# Altium PCB Drive_Foc.PcbDoc (part 3 of 3)
Units mil, origin at the board's own origin, x right, y up, seen from the top; angles counter-clockwise.
Board outline 3109 x 2220 mil, 4 copper layers (Top Layer, GND, PWR, Bottom Layer), stack 23.756 mil thick; 209 components, 159 nets, 774 pads, 692 vias.
Unrouted connection lines stored in the file: 55.
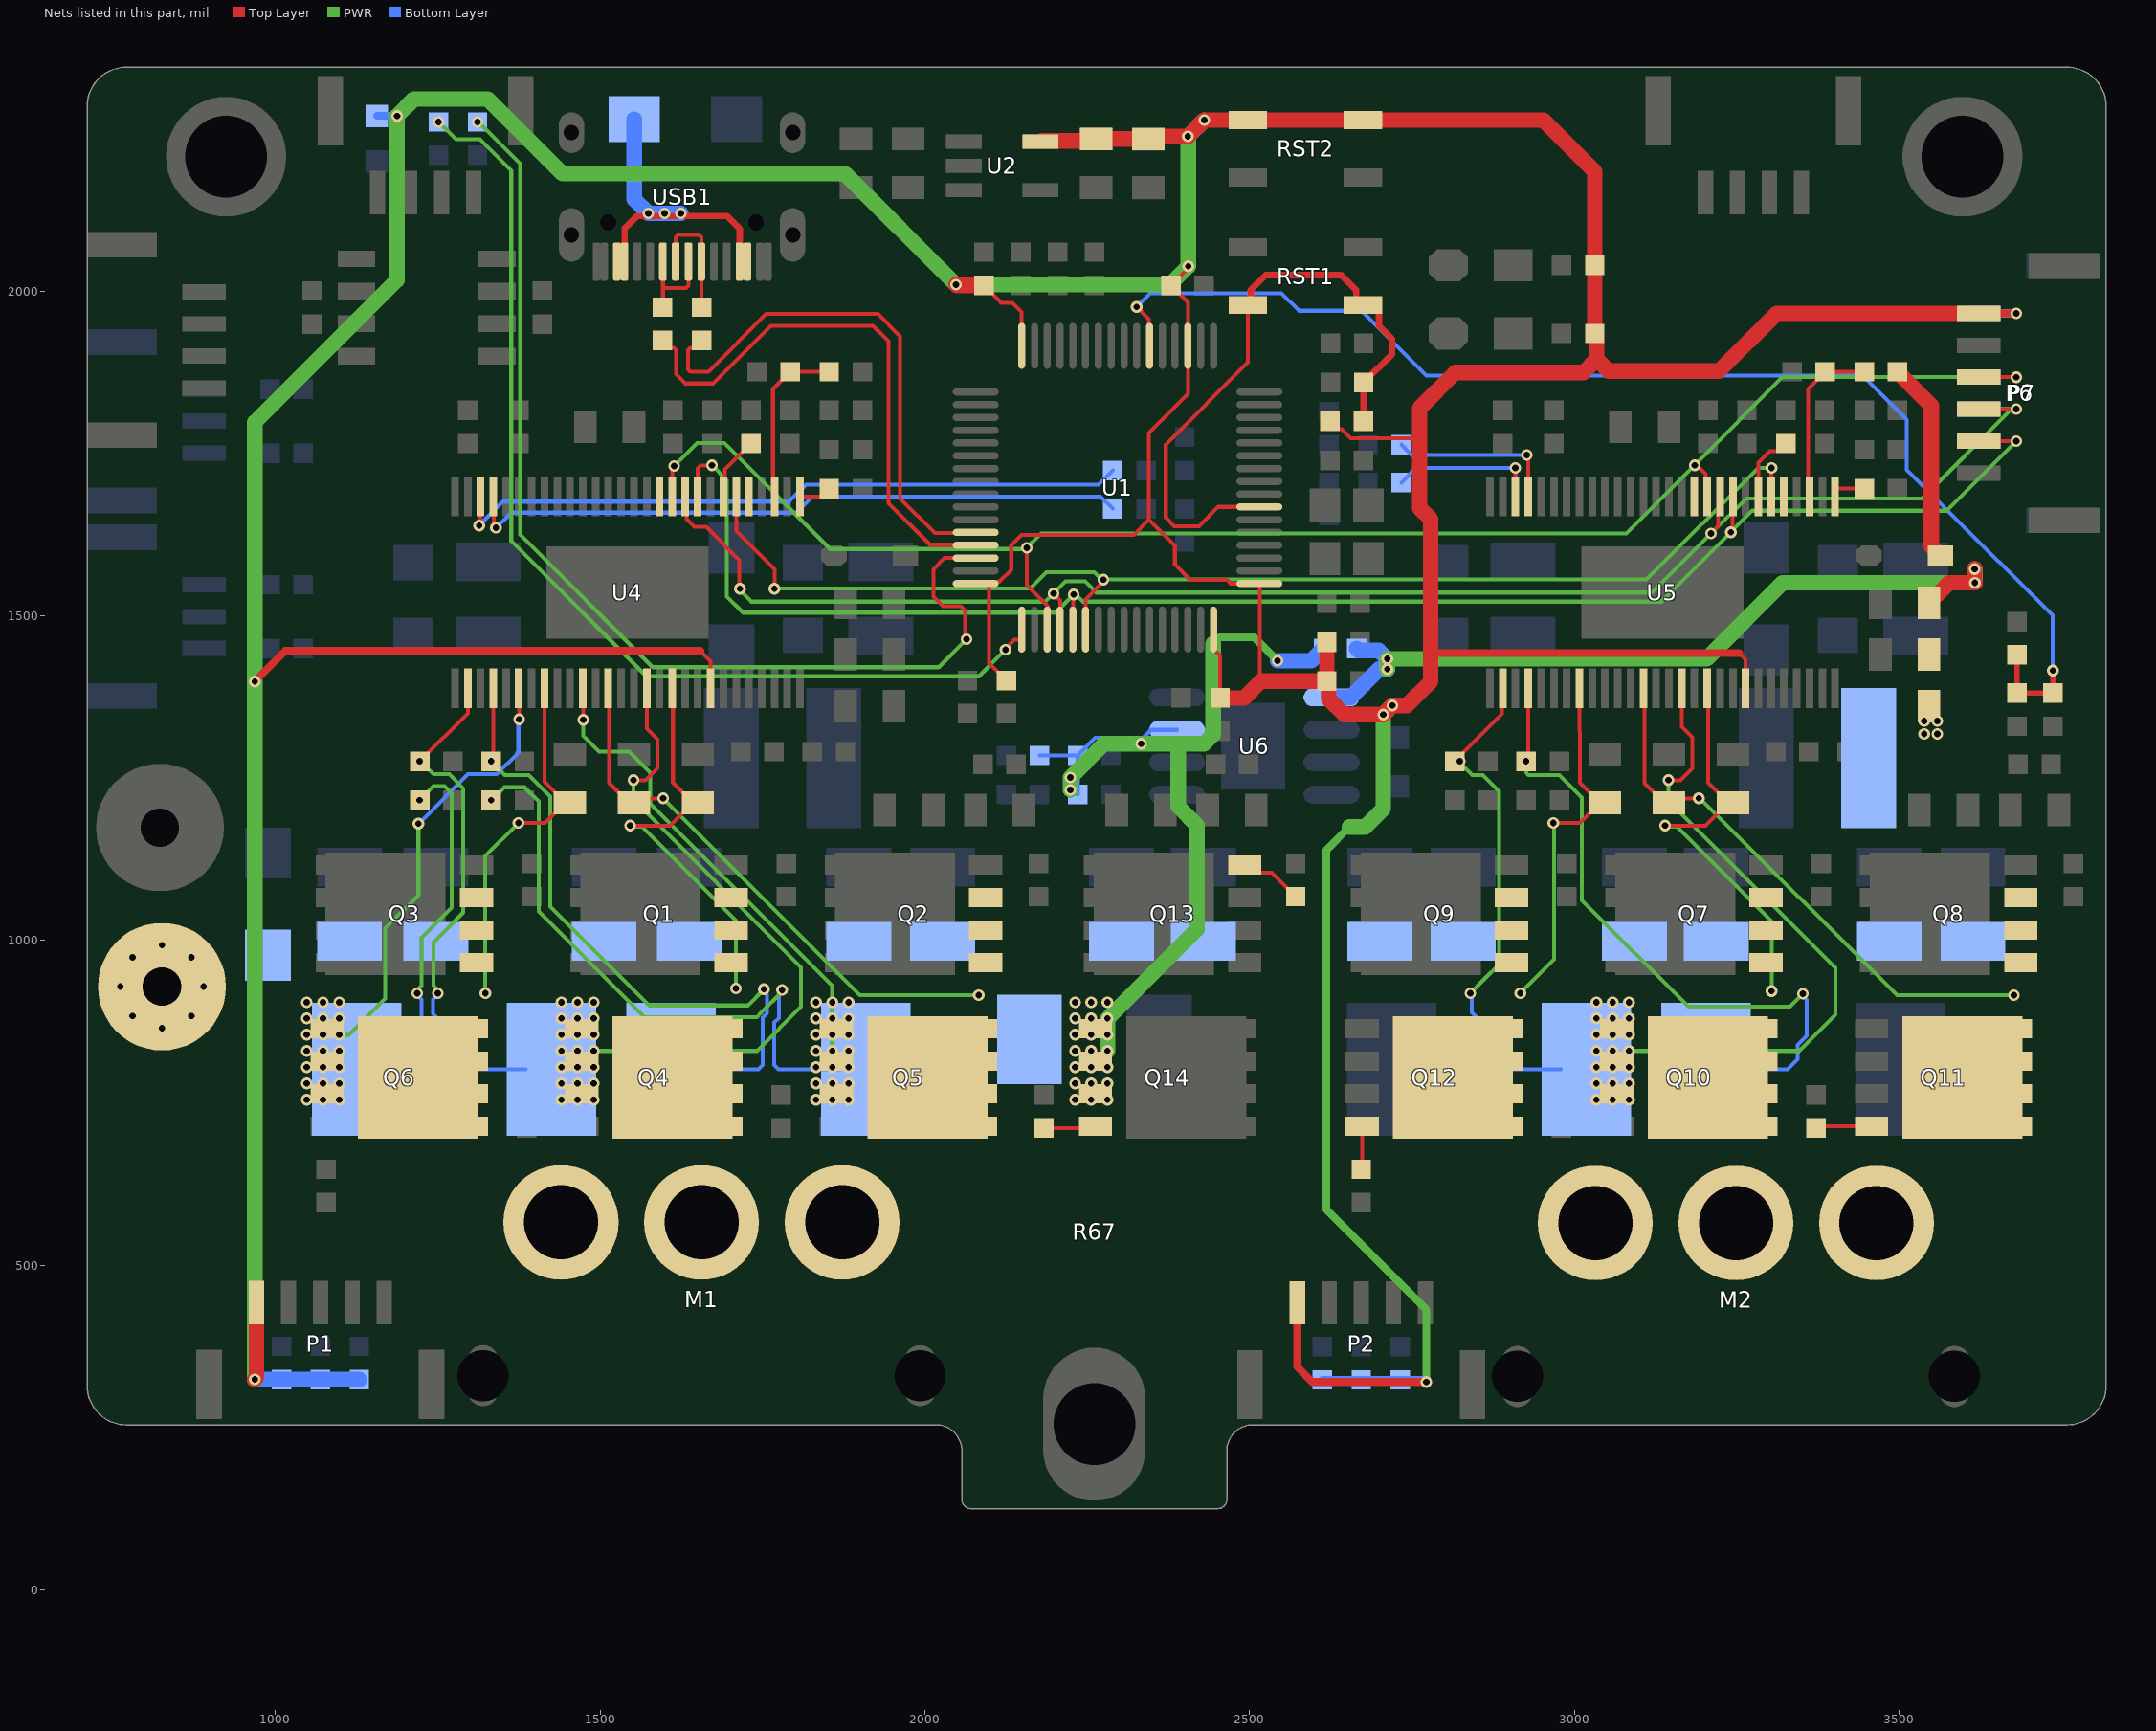
[diagram p5: the nets of this part, all layers, seen from the top]

## Via types
v1: diameter 18, hole 10, Top Layer to Bottom Layer, tented both sides, 692 vias

## Nets (pads, with @x,y where several pads share a name; then routed paths per layer and width w, separated by ;. In a path a pad name is that pad's centre, name@x,y a point inside that pad or via, vN(x,y) a via of type N, cw(c..) or ccw(c..) an arc to the next point about the centre after c; other vN are vias at no path point) (continued)
NetQ11_4: Q11.4 R59.2 | length 86.2
  Top Layer w6: R59.2@3372.63,711.23 3375.4,714 Q11.4@3457.7,714
NetQ12_4: Q12.4 R60.2 | length 67
  Top Layer w6: R60.2@2672,647.59 2673.41,648.99 Q12.4@2673.41,714
NetQ13_4: Q13.4 R65.2 | length 98.5
  Top Layer w6: Q13.4@2492.56,1116 2504.31,1104.25 2534.34,1104.25 R65.2@2571,1067.59
NetQ14_4: Q14.4 R68.2 | length 80.7
  Top Layer w6: R68.2@2183,711.23 2259.79,711.23 Q14.4@2262.56,714
NetR24_1: R24.1 R26.2 U4.3 | length 264.4
  Top Layer w6: U4.3@1768.38,1683.64 1766,1686.02 1766,1849.41 R24.1@1792.59,1876 R26.2@1852.59,1876
NetR25_1: R25.1 U4.1 | length 50
  Top Layer w6: U4.1@1807.75,1683.64 1840.23,1683.64 R25.1@1852.59,1696
NetR29_1: R29.1 U4.7 | length 99.5
  Top Layer w6: U4.7@1689.64,1683.64 1692,1686 1692,1725.67 1719.74,1753.41 1720,1753.41 R29.1@1732,1765.41
NetR32_2: R32.2 U4.25 | length 1027.7
  Top Layer w6: U4.25@1335.31,1683.64 1336.16,1682.79 1336.16,1638.73 v1(1339.25,1635.63)
  Bottom Layer w6: v1(1339.25,1635.63) 1339.63,1635.63 1363,1659 1801.8,1659 1826.8,1684 2270.41,1684 R32.2@2289.41,1665
NetR33_2: R33.2 U4.26 | length 1056.5
  Top Layer w6: v1(1313.49,1639.12) 1313.49,1641.22 1315.62,1643.35 U4.26@1315.62,1683.64
  Bottom Layer w6: v1(1313.49,1639.12) 1350.37,1676 1791,1676 1817,1702 2267.41,1702 R33.2@2289.41,1724
NetR44_1: R44.1 R46.2 U5.3 | length 264.4
  Top Layer w6: U5.3@3362.38,1683.64 3360,1686.02 3360,1745.85 3360,1849.41 R44.1@3386.59,1876 R46.2@3446.59,1876
NetR45_1: R45.1 U5.1 | length 55.5
  Top Layer w6: U5.1@3401.75,1683.64 3401.75,1693.09 3404.66,1696 R45.1@3446.59,1696
NetR49_1: R49.1 U5.7 | length 106.9
  Top Layer w6: U5.7@3283.64,1683.64 3283.64,1735.92 3301.17,1753.46 3314.04,1753.46 R49.1@3326,1765.41
NetR52_2: R52.2 U5.25 | length 265.2
  Top Layer w6: v1(2927,1748) 2929.31,1745.69 U5.25@2929.31,1683.64
  Bottom Layer w6: R52.2@2733.59,1763.66 2749.25,1748 v1(2927,1748)
NetR53_2: R53.2 U5.26 | length 229.6
  Top Layer w6: v1(2909.31,1728) 2909.62,1727.69 U5.26@2909.62,1683.64
  Bottom Layer w6: R53.2@2733.59,1705.33 2756.26,1728 v1(2909.31,1728)
NetU4_5: U4.5
NetU4_12: U4.12
NetU5_5: U5.5
NetU5_12: U5.12
nFAULT_1: U1.54 U4.6 U5.6 | length 1921.1
  Top Layer w6: U4.6@1709.32,1683.64 1709.32,1630.48 1768.28,1571.51 v1(1768.28,1542) ; U1.54@2247.49,1478.91 2247.58,1478.99 2247.58,1525.58 2275,1553 v1(2275,1556) ; U5.6@3303.32,1683.64 3303.32,1727.32 v1(3304,1728)
  PWR w6: v1(1768.28,1542) 2161.88,1542 2186.88,1567 2260.75,1567 2271.75,1556 v1(2275,1556) 3111.43,1556 3283.43,1728 v1(3304,1728)
nRST_1: C3.2 R8.2 RST1.1 U1.7 | length 1001.9
  Top Layer w6: RST1.1@2497.42,1978.95 2497.42,1890.42 2371,1764 2371,1651 2384,1638 2422,1638 2451.88,1667.88 U1.7@2515.2,1667.88
  Top Layer w10: RST1.1@2497.42,1978.95 2501.87,1983.41 2501.87,2001.87 2525,2025 2641,2025 2664.13,2001.87 2664.13,1987.73 2672.91,1978.95 2690.33,1978.95 2699.11,1970.17 2699.11,1946.44 2719,1926.55 2719,1902.82 C3.2@2675.73,1859.55 2675.73,1800.14 R8.2@2675.14,1799.55
PGND: C20.1 C21.1 C22.1 C23.1 C24.1 C25.1 C26.1 C27.1 C28.1 C29.1 C30.1 C31.1 C32.1 C33.1 C56.1 C59.1 C79.1 C83.1 C87.2 Q4.1 Q4.2 Q4.3 Q10.1 Q10.2 Q10.3 Q14.1 Q14.2 Q14.3 R18.1 R42.1 R43.1 R61.1 R62.1 R63.1 R64.1 R67.1 SP2.0 TVS1.2 U4.30 U4.32 U4.44 U5.30 U5.32 U5.44 U6.7 | length 7011.5
  Top Layer w6: v1(1221.99,1276) 1295.94,1349.95 U4.30@1295.94,1388.37 ; v1(1331.99,1276) 1335.31,1279.32 U4.32@1335.31,1388.37 ; v1(1551,1247) 1569.83,1247 1587.84,1265.01 1587.84,1309.88 1571.58,1326.14 U4.44@1571.58,1388.42 ; C83.1@2812,1277 2813,1276 C83.1@2815.99,1276 ; v1(2824,1276) 2824,1284.01 2888.85,1348.86 2888.85,1387.28 U5.30@2889.94,1388.37 ; v1(2925.99,1276) 2929.31,1279.32 U5.32@2929.31,1388.37 ; v1(3145,1247) 3163.83,1247 3181.84,1265.01 3181.84,1312.88 3165.58,1329.14 U5.44@3165.58,1388.42
  PWR w6: v1(1221.99,1276) 1223,1276 1243,1256 1267.46,1256 1289,1234.46 1289,1043 1243,997 1243,930.87 1250,923.87 v1(1250,919) ; v1(1331.99,1276) 1352.99,1255 1390,1255 1423,1222 1423,1052.46 1575.46,900 1727,900 v1(1752,925) ; v1(1490.15,830) 1741,830 1809,898 1809,958.92 1551,1216.92 v1(1551,1247) ; v1(2824,1276) 2824,1274 2843,1255 2859,1255 2884,1230 2884,963 2860.83,939.83 v1(2840,919) ; v1(2925.99,1276) 2925.99,1258.52 2929.51,1255 2977,1255 3012,1220 3012,1062 3176,898 3332,898 v1(3352,918) ; v1(3084.15,830) 3346,830 3402,886 3402,958.2 3145,1215.2 v1(3145,1247)
  PWR w12: 2444,1457 2454,1467 2507,1467 v1(2543,1431)
  PWR w24: v1(2224,1232) v1(2224,1251) 2276,1303 v1(2333,1303) 2390,1303 ; v1(2281.15,830) v1(2281.15,855) 2281.15,879.15 2419,1017 2419,1177.5 2390,1206.5 2390,1303 ; 2444,1457 2444,1317.06 2429.94,1303 2390,1303
  Bottom Layer w6: v1(1250,919) 1250,916.89 1242.6,909.49 1242.6,887.4 1282.92,847.08 1282.92,827.78 1309.34,801.36 R43.1@1385.34,801.36 ; R42.1@1648.37,801.36 1743.36,801.36 1750,808 1750,881.04 1757,888.04 1757,916.75 1752,921.75 v1(1752,925) ; R18.1@2176.59,1285 R64.1@2235.41,1285 ; R63.1@2235.41,1225 R64.1@2235.41,1285 ; U6.7@2388.31,1324.5 2348,1324.5 2348,1323.72 2336.28,1312 2262.4,1312 R64.1@2235.41,1285 ; v1(2840,919) 2842,917 2842,889.46 2876,855.46 2876,820.71 2895.34,801.36 R62.1@2979.34,801.36 ; R61.1@3242.37,801.36 3328.36,801.36 3344,817 3344,839.46 3358,853.46 3358,908.75 3352,914.75 v1(3352,918)
  Bottom Layer w24: v1(2543,1431) 2594.97,1431 C87.2@2613.97,1450
  other v1: 1440.15,755 1465.15,755 1490.15,755 2231.15,755 2256.15,755 2281.15,755 3034.15,755 3059.15,755 3084.15,755 1440.15,780 1465.15,780 1490.15,780 2231.15,780 2256.15,780 2281.15,780 3034.15,780 3059.15,780 3084.15,780 1440.15,805 1465.15,805 1490.15,805 2231.15,805 2256.15,805 2281.15,805 3034.15,805 3059.15,805 3084.15,805 1440.15,830 1465.15,830 2231.15,830 2256.15,830 3034.15,830 3059.15,830 1440.15,855 1465.15,855 1490.15,855 2231.15,855 2256.15,855 3034.15,855 3059.15,855 3084.15,855 825,865.02 1440.15,880 1465.15,880 1490.15,880 2231.15,880 2256.15,880 2281.15,880 3034.15,880 3059.15,880 3084.15,880 779.76,883.76 870.24,883.76 1440.15,905 1465.15,905 1490.15,905 2231.15,905 2256.15,905 2281.15,905 3034.15,905 3059.15,905 3084.15,905 761.02,929 888.98,929 779.76,974.24 870.24,974.24 825,992.98
S1_N: Q5.1 Q5.2 Q5.3 R31.2 R42.2 U4.39 | length 1691.4
  Top Layer w6: U4.39@1473.15,1388.42 1473.55,1388.02 1473.55,1340.4 v1(1474,1339.95)
  PWR w6: v1(1331.99,1216) 1351.99,1236 1383.54,1236 1405,1214.54 1405,1045 1568,882 1741,882 1748,889 1780,921 v1(1780,924) ; v1(1474,1339.95) 1474,1315 1498,1291 1544.31,1291 1577,1258.31 1577,1210.72 1857.29,930.42 v1(1857.29,905) v1(1857.29,880) v1(1857.29,855) v1(1857.29,830)
  Bottom Layer w6: v1(1780,924) 1780,920.75 1775,915.75 1775,880.59 1768,873.59 1768,808 1774.64,801.36 1832.29,801.36 1857.29,801.36 R42.2@1869.63,801.36
  other v1: 1832.29,755 1857.29,755 1882.29,755 1832.29,780 1857.29,780 1882.29,780 1832.29,805 1857.29,805 1882.29,805 1832.29,830 1882.29,830 1832.29,855 1882.29,855 1832.29,880 1882.29,880 1832.29,905 1882.29,905
S2_N: Q6.1 Q6.2 Q6.3 R34.2 R43.2 U4.34 | length 1299.5
  Top Layer w6: U4.34@1374.68,1388.37 1374.84,1388.22 1374.84,1340.84 v1(1374.99,1340.68)
  PWR w6: v1(1098,855) 1113,855 1169,911 1169,1018.8 1220,1069.8 v1(1220,1180) ; v1(1218,919) 1218,923.87 1225,930.87 1225,1004.46 1271,1050.46 1271,1227 1260,1238 1243,1238 1221.99,1216.99 v1(1221.99,1216)
  Bottom Layer w6: R43.2@1164.08,801.36 1240.07,801.36 1264.92,826.22 1264.92,839.62 1224.6,879.95 1224.6,909.49 1218,916.08 v1(1218,919) ; v1(1220,1180) 1296,1256 1340.28,1256 1374,1289.73 1374,1339.69 v1(1374.99,1340.68)
  other v1: 1048,755 1073,755 1098,755 1048,780 1073,780 1098,780 1048,805 1073,805 1098,805 1048,830 1073,830 1098,830 1048,855 1073,855 1048,880 1073,880 1098,880 1048,905 1073,905 1098,905
SH0_A: C46.2 M1.2 Q1.1 Q1.2 Q1.3 Q4.5 Q4.6 Q4.7 Q4.8 U4.46 | length 636.7
  Top Layer w6: v1(1546,1177) 1607.5,1177 C46.2@1642.77,1212.27 ; U4.46@1610.9,1388.37 1612,1387.27 1612,1243.04 C46.2@1642.77,1212.27 ; C46.2@1650.27,1212.27 C46.2@1642.77,1212.27
  PWR w6: v1(1546,1177) 1547.57,1175.43 1564.57,1175.43 1709,1031 v1(1709,926)
SH0_B: C51.2 M1.1 Q2.1 Q2.2 Q2.3 Q5.5 Q5.6 Q5.7 Q5.8 U4.41 | length 856.3
  Top Layer w6: U4.41@1512.47,1388.37 1514,1386.84 1514,1242.61 1544.34,1212.27 C51.2@1551.84,1212.27 1558.57,1219 v1(1597,1219)
  PWR w6: v1(1597,1219) 1900,916 v1(2083,916)
SH0_C: C54.2 M1.3 Q3.1 Q3.2 Q3.3 Q6.5 Q6.6 Q6.7 Q6.8 U4.36 | length 564.8
  Top Layer w6: v1(1374,1181) 1414.65,1181 C54.2@1445.92,1212.27 ; U4.36@1414.05,1388.37 1414,1388.32 1414,1244.19 C54.2@1445.92,1212.27 ; C54.2@1453.42,1212.27 C54.2@1445.92,1212.27
  PWR w6: v1(1323,919) 1323,1130 v1(1374,1181)
SH1_A: C69.2 M2.2 Q7.1 Q7.2 Q7.3 Q10.5 Q10.6 Q10.7 Q10.8 U5.46 | length 640.7
  Top Layer w6: v1(3140,1177) 3201.5,1177 C69.2@3236.77,1212.27 ; U5.46@3204.9,1388.37 3206,1387.27 3206,1243.04 C69.2@3236.77,1212.27 ; C69.2@3244.27,1212.27 C69.2@3236.77,1212.27
  PWR w6: v1(3140,1177) 3141.57,1175.43 3158,1175.43 3304,1029.43 v1(3304,922)
SH1_B: C74.2 M2.1 Q8.1 Q8.2 Q8.3 Q11.5 Q11.6 Q11.7 Q11.8 U5.41 | length 856.3
  Top Layer w6: U5.41@3106.47,1388.37 3108,1386.84 3108,1242.61 3138.34,1212.27 C74.2@3145.84,1212.27 3152.57,1219 v1(3192,1219)
  PWR w6: v1(3192,1219) 3194,1219 3497,916 v1(3677,916)
SH1_C: C77.2 M2.3 Q9.1 Q9.2 Q9.3 Q12.5 Q12.6 Q12.7 Q12.8 U5.36 | length 559.3
  Top Layer w6: v1(2968,1181) 3008.65,1181 3039.92,1212.27 3008.99,1243.2 3008.99,1321.28 3008,1322.27 3008,1388.32 U5.36@3008.05,1388.37
  PWR w6: v1(2917,919) 2917,921 2919,921 2969,971 2969,1180 v1(2968,1181)
SPI_MISO_1: P6.4 P7.4 U1.52 U4.10 U5.10 | length 2537.4
  Top Layer w6: U4.10@1630.58,1683.64 1633.01,1681.21 1633.01,1648.93 1644.94,1637 1663,1637 1714,1586 1714,1543 v1(1715,1542) ; v1(2197.99,1534.5) 2208.5,1524 2208.5,1479.28 U1.52@2208.12,1478.91 ; v1(3210.86,1627.14) 3221.81,1638.09 3221.81,1680.87 U5.10@3224.58,1683.64 ; P7.4@3623.06,1818.39 v1(3680.82,1818.39)
  PWR w6: v1(1715,1542) 1715,1539.72 1732.72,1522 2185.49,1522 v1(2197.99,1534.5) 2216.49,1553 2246.77,1553 2263.77,1536 3120,1536 3210.86,1626.86 v1(3210.86,1627.14) ; v1@3211,1627 3265,1681 3536,1681 3671.1,1816.1 3678.52,1816.1 v1(3680.82,1818.39)
  Bottom Layer w6: P6.4@3623.06,1818.39 v1(3680.82,1818.39)
SPI_MOSI_1: P6.5 P7.5 U1.53 U4.9 U5.9 | length 2617.1
  Top Layer w6: U4.9@1650.27,1683.64 1650.27,1727.27 1654.67,1731.67 1671.67,1731.67 v1(1672,1732) ; U1.53@2227.8,1478.91 2228.4,1479.51 2228.4,1532.4 v1(2229,1533) ; v1(3241.21,1628.93) 3241.21,1632.17 3243.7,1634.67 3243.7,1683.07 U5.9@3244.27,1683.64 ; P7.5@3623.06,1769.18 v1(3680.82,1769.18)
  PWR w6: v1(1672,1732) 1695,1709 1695,1530 1720,1505 2201,1505 v1(2229,1533) ; v1@2232,1533 2232.25,1533 2243.25,1522 3135,1522 3241.21,1628.21 v1(3241.21,1628.93) 3274.28,1662 3573.64,1662 v1(3680.82,1769.18)
  Bottom Layer w6: P6.5@3623.06,1769.18 v1(3680.82,1769.18)
SPI_SCK_1: P6.3 P7.3 U1.51 U4.11 U5.11 | length 2622.5
  Top Layer w6: U4.11@1610.9,1683.64 1610.9,1727.9 v1(1614,1731) ; v1(2157,1605) 2157,1547.21 2189,1515.21 2189,1482.34 2187,1480.34 U1.51@2188.43,1478.91 ; v1(3185.53,1732) 3187.83,1729.7 3191.12,1729.7 3202.47,1718.35 3202.47,1686.07 U5.11@3204.9,1683.64 ; P7.3@3623.06,1867.61 v1(3680.82,1867.61)
  PWR w6: v1(1614,1731) 1649,1766 1691,1766 1854,1603 2155,1603 2179,1627 3080.53,1627 v1(3185.53,1732) ; v1@3185.53,1731.53 3185.53,1732.53 3320.61,1867.61 v1(3680.82,1867.61)
  Bottom Layer w6: P6.3@3623.06,1867.61 v1(3680.82,1867.61)
SWCLK/PA14_1: R13.2 U1.49 | length 1624.2
  Top Layer w6: v1(2124,1448) 2124,1449 2138.07,1463.07 2146.74,1463.07 2149.06,1465.39 U1.49@2149.06,1478.91
  PWR w6: v1(1251,2260.59) 1277.58,2234 1314.69,2234 1362.97,2185.72 1362.97,1615.03 1571,1407 2083,1407 v1(2124,1448)
SWDIO/PA13_1: R12.2 U1.46 | length 1670.2
  Top Layer w6: v1(2064,1464) 2062,1466 2062,1508 2054.91,1515.09 2027.91,1515.09 2013,1530 2013,1571.74 2030.4,1589.14 U1.46@2078.2,1589.14
  PWR w6: v1(1311,2260.59) 1312.41,2260.59 1376.97,2196.03 1376.97,1625.03 1581,1421 2021,1421 v1(2064,1464)
USB_1_N: R22.2 USB1.A7 USB1.B7 | length 187
  Top Layer w6: USB1.A7@1616.16,2045.79 1616.16,2082.73 1620,2086.57 1652,2086.57 1655.53,2083.05 USB1.B7@1655.53,2045.79 1655.53,1976.06 R22.2@1656,1975.59
USB_1_P: R23.2 USB1.A6 USB1.B6 | length 149.8
  Top Layer w6: R23.2@1596,1975.59 1596.47,1976.06 1596.47,2008.53 ; USB1.B6@1596.47,2045.79 1596.47,2008.53 ; USB1.A6@1635.84,2045.79 1635.84,2008.84 1632,2005 1600,2005 1596.47,2008.53
USB_FS_1_N: R22.1 U1.44 | length 824.9
  Top Layer w6: R22.1@1656,1924.41 1644.52,1912.92 1638.52,1912.92 1635,1909.41 1635,1902.68 1635,1879.51 1638.52,1876 1666.54,1876 1755.54,1965 1927.46,1965 1961.77,1930.69 1961.77,1681.06 2015.16,1627.67 2077.36,1627.67 U1.44@2078.2,1628.51
USB_FS_1_P: R23.1 U1.45 | length 852.2
  Top Layer w6: R23.1@1596,1924.41 1607.49,1912.92 1613.49,1912.92 1617,1909.41 1617,1895.22 1617,1872.06 1631.06,1858 1674,1858 1763,1947 1920,1947 1943.77,1923.23 1943.77,1673.6 2007.71,1609.67 U1.45@2075.99,1609.67
USBVCC_1: D1.2 USB1.A4 USB1.A9 USB1.B4 USB1.B9 | length 498.7
  Top Layer w10: USB1.B4@1537.42,2045.79 1537.42,2096.42 1557,2116 1695,2116 1714.58,2096.42 USB1.B9@1714.58,2045.79
  Bottom Layer w24: D1.2@1552.26,2265 1552.26,2141.74 v1(1574,2120) v1(1599,2120) v1(1624,2120)
VBUS_S_1: C14.1 R14.2 R15.1 U1.22 | length 1972
  Top Layer w6: v1(2326.04,1975.96) 2344.95,1957.05 2344.95,1916.87 U1.22@2345.91,1915.91
  Top Layer w8: R14.2@3682,1440 R15.1@3682,1381.18 C14.1@3737,1381.18 v1(3737,1416)
  Bottom Layer w6: v1(2326.04,1975.96) 2347.08,1997 2549,1997 2576,1970 2672,1970 2772,1870 3444,1870 3512,1802 3512,1724.94 3652.49,1584.45 3653.19,1584.45 3737,1500.64 v1(3737,1416)
VCC3V3: C5.2 C6.2 C7.2 C8.2 C10.2 C11.2 C17.2 C18.2 F1.2 P1.1 P2.1 P6.1 P7.1 R1.1 R2.1 R3.1 R5.1 R6.1 R7.1 R8.1 R17.1 R19.1 RST2.1 U1.1 U1.19 U1.32 U1.48 U1.64 U2.5 U4.49 U5.49 | length 11715.5
  Top Layer w6: 1654.45,1446 1669.95,1430.5 U4.49@1669.95,1388.37 ; U1.48@2078.2,1549.77 2109.4,1549.77 2112.58,1552.95 2114.88,1552.95 2133,1571.06 2133,1609.28 2148.72,1625 2322,1625 2345,1648 ; C5.2@2091,2008.96 2117.51,1982.45 2134.55,1982.45 2149.06,1967.94 U1.32@2149.06,1915.91 ; U1.48@2096.36,1549.77 2098.68,1547.45 2098.68,1538.77 2099,1538.45 2099,1427.03 C8.2@2125.44,1400.58 ; v1(2405.5,2038.5) 2405.5,2035.5 C6.2@2378.97,2008.96 2404.97,1982.96 U1.19@2404.97,1915.91 2404.97,1841.97 2345,1782 2345,1648 ; U1.64@2444.34,1478.91 2444.34,1448.97 2454.56,1438.76 C7.2@2454.56,1373.59 ; 2517.56,1399.56 2516,1401.12 2516,1548.97 U1.1@2515.2,1549.77 2471.03,1549.77 2465.34,1555.46 2408.54,1555.46 2385,1579 2385,1608 2345,1648 ; R8.1@2623.96,1799.55 2635.96,1787.55 2641.58,1787.55 2655.58,1773.55 2760.45,1773.55 2762,1772 ; 3254,1443 3263.95,1433.05 U5.49@3263.95,1388.37
  Top Layer w12: v1(968,1399) 1015,1446 1654.45,1446 ; P2.1@2573.63,442.06 2573.63,343.37 2597,320 v1(2772,320) ; 2779,1443 3254,1443 ; P7.1@3623.06,1966.03 v1(3680.82,1966.03)
  Top Layer w24: v1(968,324) 970.57,326.57 P1.1@970.57,442.4 ; v1(2048,2010) 2049.04,2008.96 C5.2@2091,2008.96 ; U2.5@2178.06,2230.48 2179.23,2231.65 2261.26,2231.65 C17.2@2264,2234.4 C18.2@2344,2234.4 2347.97,2238.37 v1(2405,2238.37) v1(2430.36,2263.73) RST2.1@2497.42,2263.73 RST2.1@2674.58,2263.73 2952.27,2263.73 3031.59,2184.41 R17.1@3031.59,2040 R19.1@3031.59,1935 3034.59,1932 3034.59,1895.41 ; C7.2@2454.56,1373.59 2491.59,1373.59 2517.56,1399.56 C11.2@2618.97,1399.56 ; C10.2@2618.97,1459.56 C11.2@2618.97,1399.56 ; P7.1@3601.59,1966.03 3312.03,1966.03 3223,1877 3053,1877 3034.59,1895.41 ; C11.2@2618.97,1399.56 2621.97,1396.56 2621.97,1372.03 2646,1348 v1(2706,1348) v1(2720,1362) 2742,1362 2779,1399 2779,1443 2779,1649 2762,1666 2762,1772 2762,1820 2817,1875 3014.19,1875 3034.59,1895.41
  PWR w12: 2654,1175 2618,1139 2618,586 2772,432 v1(2772,320)
  PWR w24: v1(968,324) v1(968,1399) 968,1798.12 1187,2017.12 v1(1187,2270) 1213,2296 1327,2296 1442,2181 1877,2181 v1(2048,2010) 2377,2010 v1(2405.5,2038.5) 2405.5,2238.87 v1(2430.36,2263.73) ; 2654,1175 2678,1175 2706,1203 v1(2706,1348) v1(2720,1362)
  Bottom Layer w12: F1.2@1156,2270 v1(1187,2270) ; R5.1@2612,323.47 R7.1@2732,323.47 2766.91,323.47 2770.38,320 v1(2772,320) ; P6.1@3623.06,1966.03 v1(3680.82,1966.03)
  Bottom Layer w24: v1(968,324) 1008.82,324 R1.1@1009,323.82 R2.1@1069,323.82 R3.1@1129,323.82
VCC12V_1: C70.2 C71.2 C72.2 C87.1 D5.1 L2.2 R46.1 U6.1 | length 1585.9
  Top Layer w24: R46.1@3497.77,1876 3550,1823.77 3550,1607.2 3556.43,1600.77 3556.43,1596.83 3560.18,1593.09 D5.1@3564.12,1593.09 ; C71.2@3546.4,1520.06 3546.4,1527.56 3551.9,1533.06 3559.4,1533.06 3577.34,1551 v1(3617,1551) 3616.65,1551.35 v1(3616.65,1572.21)
  PWR w24: v1(2712,1418) v1(2712,1434) 3204,1434 3321,1551 v1(3617,1551) 3617,1571.85 v1(3616.65,1572.21)
  Bottom Layer w24: U6.1@2626.31,1374.5 2655.84,1374.5 2699.34,1418 v1(2712,1418) v1(2712,1434) 2699,1447 2668.15,1447 C87.1@2665.15,1450
  other v1: 3539,1318 3559,1318 3539,1338 3559,1338
pads on no net: *1.0 *2.0 J1.5 M1.PAD0 M1.PAD1 M2.PAD0 M2.PAD1 P1.MP1 P1.MP2 P2.MP1 P2.MP2 P3.MP1 P3.MP2 P4.MP1 P4.MP2 P5.MP1 P5.MP2 P6.MP1 P6.MP2 P7.MP1 P7.MP2 P8.MP1 P8.MP2 P9.MP1 P9.MP2 R67.PAD U2.4 U3.4 U4.4 U4.55 U5.4 U5.55 U6.9 USB1.0 USB1.1 USB1.2 USB1.3 USB1.4 USB1.A5 USB1.A8 USB1.B5 USB1.B8
copper on no net:
  other v1: 923.8,2127.2 3598.2,2127.2 868.8,2152.2 978.8,2152.2 3543.2,2152.2 3653.2,2152.2 843.8,2207.2 1003.8,2207.2 3518.2,2207.2 3678.2,2207.2 868.8,2262.2 978.8,2262.2 3543.2,2262.2 3653.2,2262.2 923.8,2287.2 3598.2,2287.2

## Polygon pours and split planes (outlines as drawn)
GND on Bottom Layer "GND_L04_P039" (solid, remove dead copper, pour order 39): 635,2471 639,2467 639,1069 4003,1069 3999,1073 3999,2482
GND on Bottom Layer "GND_L04_P038" (solid, remove dead copper, pour order 38): 2115,1309 2097,1291 2097,1165 2105,1157 2143,1157 2152,1166 2152,1305 2148,1309
AGND on Bottom Layer "AGND_L04_P036" (solid, remove dead copper, pour order 36): 2204,1729 2204,1713 2256,1713 2264,1721 2264,1752 2269,1757 2376,1757 2400,1733 2400,1643 2384,1627 2384,1599 2416,1599 2436,1619 2436,1782 2417,1801 2276,1801
PGND on Bottom Layer "PGND_L04_P033" (solid, remove dead copper, pour order 33): 2162,1291 2162,1270 2184,1270 2215,1239 2215,1205.5 2215.5,1205 2251,1205 2257,1211 2257,1283 2260,1283 2413,1283 2434.26,1304.26 2434.26,1345 2216,1345
AGND on Bottom Layer "AGND_L04_P032" (solid, remove dead copper, pour order 32): 2160,1243 2160,1175 2168,1167 2232,1167 2239,1174 2239,1197 2231,1205 2200,1205 2200,1233 2190,1243
DCBUS on Bottom Layer "DCBUS_L04_P016" (solid, remove dead copper, pour order 16): 2790,1512 2745,1467 2745,1219 2654,1128 2785,1128 2812,1155 2812,1301 2929,1418 2959,1418 2987,1446 2987,1500 2975,1512
DCBUS on Bottom Layer "DCBUS_L04_P015" (solid, remove dead copper, pour order 15): 3361.67,1499 3361.67,1404 3584,1404 3598,1390 3513,1305 3513,1078 3569.29,1078 3637,1145.7 3637,1212 3679,1254 3679,1454 3634,1499
DCBUS on Bottom Layer "DCBUS_L04_P014" (solid, remove dead copper, pour order 14): 1761,1499 1761,1404 1990,1404 2004,1390 2004,1376 1925.29,1297.29 1925.29,1078 2025,1078 2071,1124 2071,1257 2085,1271 2085,1432 2018,1499
DCBUS on Bottom Layer "DCBUS_L04_P013" (solid, remove dead copper, pour order 13): 1177,1503 1010,1336 899,1336 822,1259 822,1174 968,1174 1014,1128 1281,1395 1336,1395 1380,1439 1380,1487 1384,1491 1372,1503
PGND on Bottom Layer "PGND_L04_P001" (solid, remove dead copper, pour order 1): 701,1039 701,851 758,794 887,794 1031,938 3717,938 3723,944 3723,1039
DCBUS on Bottom Layer "DCBUS_L04_P000" (solid, remove dead copper, pour order 0): 729,1055 706,1078 706,1258 784,1336 899,1336 1089,1146 3722,1146 3722,1055
DCBUS on Top Layer "DCBUS_L01_P049" (solid, remove dead copper, pour order 49): 3420.29,1150 3407.29,1137 3407.29,956 3419.29,944 3636.29,944 3639.29,947 3639.29,1136 3625.29,1150
DCBUS on Top Layer "DCBUS_L01_P048" (solid, remove dead copper, pour order 48): 3028.15,1150 3015.15,1137 3015.15,956 3027.15,944 3244.15,944 3247.15,947 3247.15,1136 3233.15,1150
DCBUS on Top Layer "DCBUS_L01_P047" (solid, remove dead copper, pour order 47): 2636,1150 2623,1137 2623,956 2635,944 2852,944 2855,947 2855,1136 2841,1150
DCBUS on Top Layer "DCBUS_L01_P046" (solid, remove dead copper, pour order 46): 2225.15,1150 2212.15,1137 2212.15,956 2224.15,944 2441.15,944 2444.15,947 2444.15,1136 2430.15,1150
DCBUS on Top Layer "DCBUS_L01_P045" (solid, remove dead copper, pour order 45): 1826.29,1150 1813.29,1137 1813.29,956 1825.29,944 2042.29,944 2045.29,947 2045.29,1136 2031.29,1150
DCBUS on Top Layer "DCBUS_L01_P044" (solid, remove dead copper, pour order 44): 1434.15,1150 1421.15,1137 1421.15,956 1433.15,944 1650.15,944 1653.15,947 1653.15,1136 1639.15,1150
DCBUS on Top Layer "DCBUS_L01_P043" (solid, remove dead copper, pour order 43): 1042,1150 1029,1137 1029,956 1041,944 1258,944 1261,947 1261,1136 1247,1150
GND on Top Layer "GND_L01_P040" (solid, remove dead copper, pour order 40): 604,2416 593,2405 593,1160 3933,1160 4025,1252 4025,2430
AGND on Top Layer "AGND_L01_P031" (solid, remove dead copper, pour order 31): 2875,1831 2835,1791 2835,1708 2855,1688 2855,1661 2862,1654 2875,1654 2875,1718 2875,1794 2896,1794 2905,1803 2904,1804 2904,1831
AGND on Top Layer "AGND_L01_P030" (solid, remove dead copper, pour order 30): 3666,1346 3666,1316 3667,1315 3705,1315 3718,1302 3718,1186 3729,1175 3782,1175 3792,1185 3792,1335 3781,1346
AGND on Top Layer "AGND_L01_P029" (solid, remove dead copper, pour order 29): 2477,1292 2477,1177 2487,1167 2524,1167 2524,1292
AGND on Top Layer "AGND_L01_P028" (solid, remove dead copper, pour order 28): 2134,1287 2134,1178 2143,1169 2232,1169 2236,1173 2236,1190 2224,1202 2190,1202 2169,1223 2169,1280 2162,1287
AGND on Top Layer "AGND_L01_P027" (solid, remove dead copper, pour order 27): 1269,1842 1221,1794 1221,1700 1268,1653 1281,1653 1281,1717 1262,1736 1262,1766 1298,1802 1310,1802 1310,1834 1302,1842
DCBUS on Top Layer "DCBUS_L01_P024" (solid, remove dead copper, pour order 24): 2799,1426 2799,1355 2802,1352 2871,1352 2876,1357 2876,1426
DCBUS on Top Layer "DCBUS_L01_P022" (solid, remove dead copper, pour order 22): 1197,1423 1197,1363 1203,1357 1282,1357 1282,1423
DCBUS on Top Layer "DCBUS_L01_P021" (solid, remove dead copper, pour order 21): 1778,1501 1740,1463 1740,1358 1742,1356 1774,1356 1779,1361 1779,1433 1782,1436 1830,1436 1835,1441 1835,1493 1827,1501
DCBUS on Top Layer "DCBUS_L01_P020" (solid, remove dead copper, pour order 20): 3372,1501 3334,1463 3334,1358 3336,1356 3368,1356 3373,1361 3373,1433 3376,1436 3424,1436 3429,1441 3429,1493 3421,1501
GND on Top Layer "GND_L01_P019" (solid, remove dead copper, pour order 19): 1481,2005 1486,2000 1513,2000 1520.04,2007.04 1520.04,2111.04 1543,2134 1709,2134 1732,2111 1732,2006 1737,2001 1765,2001 1768,2004 1768,2157 1741,2184 1510,2184 1481,2155
USBVCC_1 on Top Layer "USBVCC_1_L01_P018" (solid, remove dead copper, pour order 18): 1520,2128.3 1520,2016 1543,2016 1543,2093 1556,2106 1696,2106 1708,2094 1708,2017 1732,2017 1732,2131 1715,2148 1539.7,2148
SH1_B on Top Layer "SH1_B_L01_P012" (solid, remove dead copper, pour order 12): 3506,890 3506,696 3493,683 3381,683 3360,662 3360,463 3381,442 3560,442 3620,502 3620,623 3661,664 3700.29,664 3730.29,694 3677,747.29 3677,916 3532,916
SH1_A on Top Layer "SH1_A_L01_P011" (solid, remove dead copper, pour order 11): 3304,922 3289,907 3136,907 3113,884 3113,686 3139,660 3139,459 3157,441 3329,441 3354,466 3354,872
SH1_C on Top Layer "SH1_C_L01_P010" (solid, remove dead copper, pour order 10): 2917,919 2882,919 2860,897 2734,897 2720,883 2722,881 2722,695 2764,653 2838,579 2838,515 2913,440 3110,440 3131,461 3131,648 3092,687 2946,687 2946,890
SH0_B on Top Layer "SH0_B_L01_P009" (solid, remove dead copper, pour order 9): 1932,905 1911,884 1911,696 1903,688 1794,688 1769,663 1769,465 1793,441 1980,441 2032,493 2032,609 2092,669 2124,669 2136.29,681.29 2136.29,881.71 2113,905
SH0_A on Top Layer "SH0_A_L01_P008" (solid, remove dead copper, pour order 8): 1519,884 1519,679 1551,647 1551,469 1581,439 1741,439 1761,459 1761,668 1734,695 1734,901 1709,926 1559,926 1518,885
SH0_C on Top Layer "SH0_C_L01_P007" (solid, remove dead copper, pour order 7): 1127,884 1127,695 1170,652 1170,556 1286,440 1503,440 1535,472 1535,644 1498,681 1365,681 1349,697 1349,920 1286,920 1259,893 1136,893
VCC12V_1 on Top Layer "VCC12V_1_L01_P005" (solid, remove dead copper, pour order 5): 3549,1642 3510,1603 3510,1306 3594,1306 3594,1609 3561,1642
DRV5V on Top Layer "DRV5V_L01_P004" (solid, remove dead copper, pour order 4): 1938,1625 1916,1603 1916,1306 1996,1306 1996,1613 1984,1625
NetC67_1 on Top Layer "NETC67_1_L01_P003" (solid, remove dead copper, pour order 3): 3302,1482 3277,1457 3277,1358 3277,1203 3334,1203 3342,1211 3342,1309.99 3323.01,1329.58 3323.01,1482
NetC44_1 on Top Layer "NETC44_1_L01_P002" (solid, remove dead copper, pour order 2): 1708,1482 1683,1457 1683,1358 1683,1203 1740,1203 1748,1211 1748,1309.99 1729.01,1329.58 1729.01,1482
GND on GND "GND_L02_P041" (solid, remove dead copper, pour order 41): 584,2661 584,128 603,109 623,129 4160,129 4160,2313 4011,2462
AGND on GND "AGND_L02_P037" (solid, remove dead copper, pour order 37): 2240,1767 2205,1732 2205,1710 2313,1710 2404,1801 2544,1801 2601,1744 2601,1446 2444,1289 2370,1215 2178,1215 2178,1165 2564,1165 2698,1299 2698,1619 2862,1783 2862,1861 2378,1861 2284,1767
PGND on GND "PGND_L02_P026" (solid, remove dead copper, pour order 26): 721,1032 721,684 3599,684 3599,934 3419,934 3366,881 3168,881 3115,934 2990,934 2944,888 2793,888 2747,934 2158,934 2111,887 2039,887 1992,934 1828,934 1782,888 1648,888 1600,936 1376,936 1328,888 1200,888 1135,953 977,953 898,1032
DCBUS on GND "DCBUS_L02_P025" (solid, remove dead copper, pour order 25): 716,1331 716,1041 909,1041 982,968 1158,968 1216,1026 1216,1130 1189,1157 1098,1157 924,1331
DRV5V on GND "DRV5V_L02_P006" (solid, remove dead copper, pour order 6): 1997,1454 2039,1454 2046,1461 2046,1495 1942,1599 1942,2037 1894,2037 1894,1857 1894,1557
GND on PWR "GND_L03_P042" (solid, remove dead copper, pour order 42): 1626,1787 1560,1721 1560,1697 1580,1677 1624,1677 1665.5,1718.5 1775,1609 1830,1554 3083,1554 3308,1779 3595,1779 3673.6,1700.4 3736,1762.8 3736,1878 3672,1942 3318,1942 3052,1676 1949,1676 1838,1787
PGND on PWR "PGND_L03_P035" (solid, remove dead copper, pour order 35): 2433,1476 2395.95,1438.95 2395.95,1395.95 2319,1319 2260,1319 2184,1243 2184,733 2205,712 2287,712 2319,744 2319,890 2572,1143 2572,1460 2556,1476
PGND on PWR "PGND_L03_P034" (solid, remove dead copper, pour order 34): 2443,1486 2423,1466 2423,1354 2390,1321 2286,1321 2284,1319 2260,1319 2203,1262 2203,1217 2209,1211 2234,1211 2245,1222 2245,1239 2289,1283 2425,1283 2461,1319 2461,1426.72 2478.28,1444 2495,1444 2524,1415 2557,1415 2560,1418 2560,1452 2525,1487 2443,1487

## Other copper
Top Layer:
  rectangle net DS2_N: 2802,1201 2835,1231
  rectangle net PGND: 2802,1261 2835,1291
  rectangle net DRV5V: 1924,1450 2047,1497
  rectangle net GND: 3446,1277 3499,1615
  rectangle net GND: 3197,1508 3491,1525
  rectangle net SH1_B: 3649.29,694 3730.29,1084
  rectangle net SH1_A: 3257.15,694 3335,1084
  rectangle net SH1_C: 2865,694 2946,1084
  rectangle net G_HS: 2454.15,694 2535.15,1084
  rectangle net SH0_B: 2055.29,694 2136.29,1084
  rectangle net SH0_A: 1663.15,694 1735,1084
  rectangle net SH0_C: 1271,694 1352,1084
  rectangle net DS1_N: 3413.29,743 3492.29,918
  rectangle net PGND: 3021.15,743 3100.15,918
  rectangle net DS2_N: 2629,743 2708,918
  rectangle net PGND: 2218.15,743 2297.15,918
  rectangle net S1_N: 1822,743 1898.29,918
  rectangle net PGND: 1427.15,743 1506.15,918
  rectangle net S2_N: 1035,743 1114,918
  rectangle net GND: 1852,1277 1905,1615
  rectangle net GND: 1603,1508 1897,1525
  pour cut-out: 3343,1350 3343,1212 3342,1211 3387.78,1165.22 3431,1165.22 3431,1266 3399.79,1297.21 3399.79,1349.86
  pour cut-out: 2368.22,1294 2368.22,1275.18 2339.04,1246 2371.54,1213.5 2395.9,1213.5 2395.9,1224.94 2465.21,1294.26
  pour cut-out: 1995,1450 1994,1449 1994,1377 2217,1377 2225,1385 2225,1449
  pour cut-out: 2606.24,1822.55 2609,1819.79 2609,1808 2676,1808 2681,1813 2675,1819 2675,1841 2599,1841 2598,1840
  pour cut-out: 2647.27,2031.54 2674.58,2004.23 2674.58,1970.97 2728.37,1917.18 2728.37,1893.45 2860.45,1893.45 2878,1911 2872,1911 2822,1961 2775,1961 2703,2033
  pour cut-out: 2193.17,1704 2334,1704 2404.97,1774.97 2404.97,1878.94 2279.94,1878.94 2232.68,1831.68
  pour cut-out: 2404.97,1878.94 2404.97,1841.97 2345,1782 2363,1764 2371,1764 2497.42,1890.42 2482.29,1905.55 2471.28,1905.55 2439.07,1873.34 2433.47,1878.94
  pour cut-out: 2578,1746.31 2578,1714.5 2588.01,1704.49 2647.71,1704.49 2647.71,1744.29 2641,1751 2582.69,1751
  pour cut-out: 2064.71,2291.65 2032.34,2259.28 2032.34,2252.75 2037.67,2252.75 2072.45,2217.98 2413.45,2217.98 2438.81,2243.34 2960.66,2243.34 3024,2180 3101,2180 3101,2186 2977,2310 2075,2310
  pour cut-out: 2786.76,1340.57 2786.76,1154.24 2788,1153 2793,1158 2862,1158 2862,1337.39
  pour cut-out: 1203,1357 1198.99,1352.99 1198.99,1193 1260,1193 1282,1215 1282,1357
GND:
  rectangle net DCBUS: 982,968 3597,1156
  pour cut-out: 3402,955 3402,951 3410.35,942.65 3413,945.3 3603.68,945.3 3603.68,958.7 3608.3,963.32
  pour cut-out: 1275.77,388 1275.77,238 1358.77,238 1358.77,388
  pour cut-out: 1949,388 1949,238 2032,238 2032,388
  pour cut-out: 2868.77,387 2868.77,237 2951.77,237 2951.77,387
  pour cut-out: 3542,387 3542,237 3625,237 3625,387
Bottom Layer:
  rectangle net PGND: 2105,742 2298,1014
  rectangle net DS1_N: 3411,699 3573,918
  rectangle net DS2_N: 2617,700 2786,917
  rectangle net S1_N: 1820,697 1978,915
  rectangle net S2_N: 1034,697 1192,919
  rectangle net G_HS: 2311,741 2535,922
  rectangle net PGND: 2106,742 2298,922
  rectangle net NetC67_1: 3245,1174 3339,1497
  rectangle net NetC44_1: 1651,1174 1745,1497
  rectangle net VCC12V_1: 3411,1306 3586,1395
  rectangle net DRV5V: 1817,1306 1996,1395
  rectangle net PGND: 2950,699 3275,1039
  rectangle net PGND: 1356,699 1681,1039
  rectangle net PGND: 717,944 3723,1033
  rectangle net DCBUS: 719,1065 3722,1152
  pour cut-out: 2599,1795.75 2578,1774.74 2578,1716.02 2579.52,1714.5 2578,1712.98 2578,1688 2579.43,1688 2599,1668.42 2607.73,1677.15 2751.41,1677.15 2756.59,1682.33 2756.59,1786.66 2599,1786.66 2598.67,1787 2583,1787
  pour cut-out: 2275,1739 2274,1738 2274,1649 2413,1649 2416,1652 2416,1737 2275,1737 2274,1736
  pour cut-out: 1273,1369 1272.3,1369 1077.8,1174.5 1092.3,1160 1632.84,1160 1644,1171.16 1644,1385 1289,1385
  pour cut-out: 2912,1383.7 2826.28,1297.98 2831,1293.26 2831,1166 3229.31,1166 3229.31,1383.7
  pour cut-out: 2177.51,1366.78 2163.78,1366.78 2102,1305 2203.4,1305 2279,1380.6 2267.78,1391.82 2267.78,1395.39

## Silkscreen, mask and mechanical layers (free items; w line width, h text height)
Top Overlay:
  rectangle: 3091,1959 3419,1965
  rectangle: 3416,1906 3419,2022
  rectangle: 3087,1906 3418,1911
  rectangle: 3087,1906 3093,2022
  rectangle: 3087,2016 3419,2022
  rectangle: 3371,2055 3536,2065
  rectangle: 3521,2055 3536,2155
  rectangle: 3521,2060 3526,2155
  rectangle: 3371,2150 3521,2155
  rectangle: 3371,2060 3381,2155
  rectangle: 2714,497.65 2864,502.57
  rectangle: 2712,541.46 2862,546.38
  rectangle: 1095,537.81 1245,542.73
  rectangle: 1118,493 1268,497.92
  rectangle: 2166,380.93 2451,390.93
  rectangle: 2186,470 2451,480
  rectangle: 2246,575 2451,585
  rectangle: 2246,664.07 2451,674.07
  text "KEY" at 2499,2289.89 h60
  text "RST" at 2499,2094.33 h60
  text "|UART |" at 3376,2076.47 h50
  text "|SEASKY|" at 3082,1969.77 h60
  text "|FOC|" at 3292.13,1969.77 h60
  text "L" at 3104.06,1915.38 h60
  text "|RC-Drive|" at 3142,1914.77 h60
  text "PWR" at 2749.06,1851.33 h60
  text "LED" at 2749.06,1801.89 h60
  text "ODrive" at 757.53,1556.33 h150
  text "V3.6-56V" at 761.09,1369.89 h100
  text "+" at 954.09,1069.31 h100
  text "-" at 956.09,835.53 h100
  text "|AUX|" at 2051,587.95 h100
  text "|LXP|" at 2246.09,587.95 h100
  text "|M0|" at 1121.13,580.88 h100
  text "|M1|" at 2712.13,576.06 h100
  text "|ENC1|" at 2592,504.02 h49.21
  text "|VABZG|" at 2712,504.02 h49.21
  text "|ENC0|" at 998,499.37 h49.21
  text "|VABZG|" at 1118,499.37 h49.21
  text "|R |" at 2051,488.88 h100
  text "| 0.5R|" at 2146,488.88 h100
  text "|P |" at 2051,393.88 h100
  text "|  50W|" at 2146,393.88 h100
  text "|M3|" at 2076,241.37 h49.21
Mechanical 1:
  lines w12: 710,314.06 ccw(c770,314.06) 770,254.06 ; 710,314.06 ccw(c770,314.06) 770,254.06 ; 710,314.06 710,2285 ; 710,314.06 710,2285 ; 710,2285 cw(c770,2285) 770,2345 ; 710,2285 cw(c770,2285) 770,2345 ; 770,254.06 770,254.06 ; 770,254.06 2016.94,254.06 ; 770,254.06 2016.94,254.06 ; 770,2345 3759,2345 ; 770,2345 770,2345 ; 770,2345 3759,2345 ; 2016.94,254.06 cw(c2016.94,214.06) 2056.94,214.06 ; 2016.94,254.06 cw(c2016.94,214.06) 2056.94,214.06 ; 2056.94,139.06 ccw(c2071,139.06) 2071,125 ; 2056.94,139.06 ccw(c2071,139.06) 2071,125 ; 2056.94,139.06 2056.94,214.06 ; 2056.94,139.06 2056.94,214.06 ; 2071,125 2071,125 ; 2071,125 2451,125 ; 2071,125 2071,125 ; 2071,125 2451,125 ; 2451,125 ccw(c2451,139.06) 2465.05,139.06 ; 2451,125 ccw(c2451,139.06) 2465.05,139.06 ; 2465.06,139.06 2465.06,139.06 ; 2465.06,139.06 2465.06,214.06 ; 2465.06,139.06 2465.06,139.06 ; 2465.06,139.06 2465.06,214.06 ; 2465.06,214.06 cw(c2505.06,214.06) 2505.06,254.06 ; 2465.06,214.06 cw(c2505.06,214.06) 2505.06,254.06 ; 2505.06,254.06 3759,254.06 ; 2505.06,254.06 3759,254.06 ; 3759,254.06 ccw(c3759,314.06) 3819,314.06 ; 3759,254.06 ccw(c3759,314.06) 3819,314.06 ; 3759,2345 cw(c3759,2285) 3819,2285 ; 3759,2345 cw(c3759,2285) 3819,2285 ; 3819,314.06 3819,2285 ; 3819,314.06 3819,2285